# KiCad board paws-60-pcb.kicad_pcb (continued)
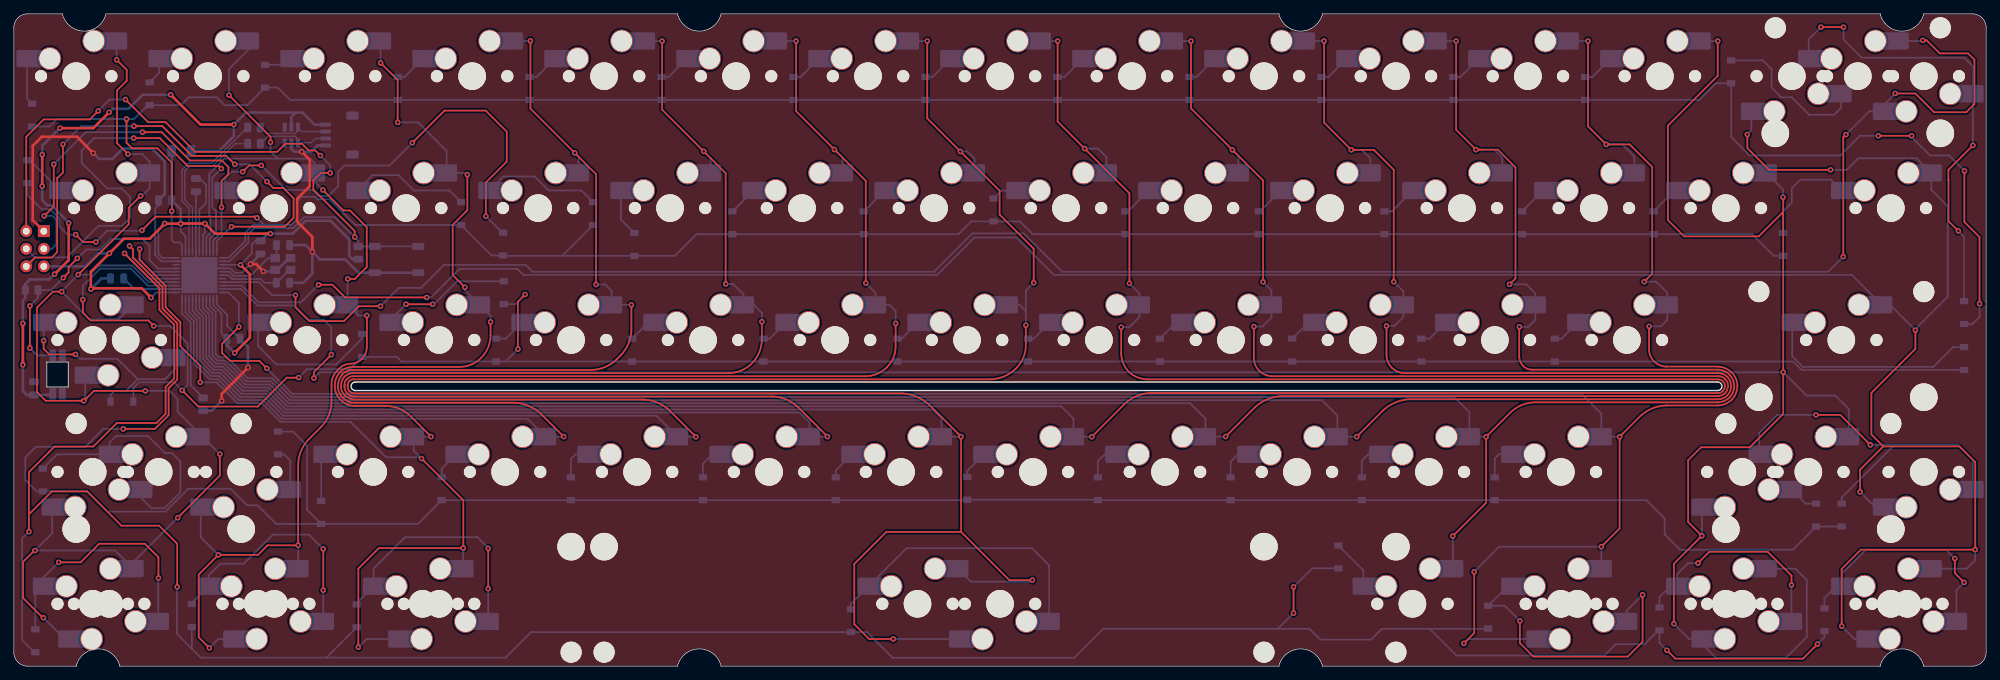
[diagram p0: board, top side]
## Routing (per net, layer and track width the routed paths; a pad name or vN(x,y) marks a point on that pad's centre or on a via; arc(x,y) is an arc through that point) (continued)
  Bottom w0.25: 58.66,30.17 53.72,30.17 48.62,35.27 38.5,35.27 35.8,37.97 32.28,37.97 29.27,40.98 v1(26.91,40.98) ; 55.55,3.92 50.91,3.92 v1(49.72,2.73) ; v1(65.11,54.71) 65.11,54.3 68.81,50.6 v1(68.81,49.73) ; v1(65.46,70.99) 65.22,71.23 62.47,71.23 62.47,74.41 58.36,78.52 v1(55.4,78.52) ; v1(52.93,87.13) 52.94,87.14 52.94,90.28 ; U2.40 19.91,56.96 18.15,58.71 v1(18.15,60.25) ; v1(64.88,17.05) 64.85,17.02 64.85,14.08 ; v1(60.22,33.15) 60.2,33.13 57.7,33.13 57.7,31.12 v1(58.84,29.99)
COL3: length 206.2
  Top w0.25: v1(79.37,33.15) 76.06,36.46 arc(74.19,37.63) 72.21,38.05 49.22,38.05 arc(48.26,38.23) 47.49,38.77 ; v1(74.57,90.3) 74.57,80.51 84.04,71.04 v1(84.04,55.11) ; v1(89.14,52.18) 89.14,48.68 arc(88.73,46.6) 87.55,44.83 87.08,44.36 arc(85.31,43.19) 83.23,42.77 48.95,42.77 arc(48.16,42.64) 47.41,42.13 arc(46.94,41.33) 46.77,40.6 ; 46.77,40.49 arc(46.94,39.56) 47.49,38.77
  Bottom w0.25: v1(80.96,74.12) 81.52,73.56 81.52,71.23 ; v1(84.04,55.11) 85.37,55.11 86.28,54.2 86.28,52.18 v1(89.14,52.18) ; v1(79.37,33.15) 79.35,33.13 76.75,33.13 74.16,35.72 38.69,35.72 35.99,38.42 32.47,38.42 29.44,41.45 28.27,41.45 25.97,43.74 25.97,49.84 24.78,51.03 U2.32 ; v1(74.57,90.3) 74.55,90.28 71.99,90.28
COL4: length 261.5
  Top w0.25: v1(102.75,55.19) 102.75,71.18 v1(99.59,74.34) 93.57,80.36 v1(93.57,90.28) ; v1(98.45,33.12) 94.66,36.91 arc(92.87,38.08) 90.81,38.5 49.22,38.5 arc(48.51,38.66) 47.81,39.09 ; v1(107.98,49.75) 107.98,47.2 arc(107.57,45.27) 106.55,43.75 ; 106.47,43.67 arc(104.97,42.69) 103.22,42.32 48.95,42.32 arc(48.32,42.19) 47.73,41.82 arc(47.35,41.18) 47.22,40.6 ; 47.22,40.49 arc(47.34,39.75) 47.8,39.09
  Bottom w0.25: v1(107.98,49.75) 107.98,51.02 106.82,52.18 105.33,52.18 105.33,53.68 103.82,55.19 v1(102.75,55.19) ; 91.04,90.28 v1(93.57,90.28) ; v1(98.45,33.12) 98.44,33.13 95.8,33.13 92.76,36.17 38.89,36.17 36.17,38.88 36.16,38.87 32.65,38.87 29.62,41.9 28.45,41.9 26.42,43.93 26.42,50.02 25.28,51.16 U2.31 ; 100.57,71.23 100.57,73.36 v1(99.59,74.34)
COL5: length 319.4
  Top w0.25: v1(127.29,49.5) 127.29,46.21 arc(126.95,44.54) 126.01,43.14 arc(124.61,42.22) 122.94,41.87 49.04,41.87 arc(48.54,41.78) 48.11,41.49 arc(47.81,41.06) 47.72,40.56 47.72,40.41 arc(47.84,39.83) 48.15,39.38 arc(48.64,39.05) 49.19,38.95 109.39,38.95 arc(111.45,38.54) 113.24,37.35 117.44,33.16 ; v1(112.91,90.28) 112.91,80.14 v1(118.45,74.61) 122.98,70.08 v1(122.98,55.31) ; v1(117.44,33.15) 117.44,33.15
  Bottom w0.25: v1(122.98,55.31) 124.38,53.91 124.38,52.18 126.38,52.18 127.29,51.27 v1(127.29,49.5) ; v1(117.44,33.15) 117.43,33.13 114.85,33.13 114.85,35.25 113.48,36.62 39.07,36.62 36.36,39.33 32.83,39.33 29.81,42.35 28.64,42.35 26.87,44.11 26.87,50.21 25.78,51.3 U2.30 ; 110.09,90.28 v1(112.91,90.28) ; v1(118.45,74.61) 119.62,73.44 119.62,71.23
COL6: length 459.3
  Top w0.25: v1(147.03,12.42) 143.69,12.42 136.73,19.39 ; 136.73,19.39 v1(136.73,33.15) 132.07,37.8 arc(130.41,38.87) 128.22,39.4 49.18,39.4 arc(48.79,39.47) 48.48,39.69 arc(48.23,40.05) 48.19,40.39 48.19,40.59 arc(48.26,40.91) 48.43,41.18 arc(48.71,41.37) 49.02,41.42 140.97,41.42 arc(142.86,41.81) 144.58,42.92 arc(145.69,44.49) 146.08,46.53 v1(146.08,49.24) ; 136.73,19.39 125.94,19.39 121.31,14.76 121.31,6.06 123.45,3.92 v1(126.95,3.92) ; v1(147.22,55.37) 147.22,60.28 142.29,65.21 142.29,68.66 v1(136.63,74.33) 131.85,79.11 v1(131.85,90.28)
  Bottom w0.25: v1(147.22,55.37) 146.08,54.23 146.08,51.27 ; v1(136.63,74.33) 137.65,74.33 138.67,73.31 138.67,71.23 ; v1(136.73,33.15) 136.71,33.13 133.9,33.13 133.9,35.77 132.6,37.07 39.26,37.07 36.55,39.78 33.01,39.78 30,42.8 28.82,42.8 27.32,44.3 27.32,50.39 26.28,51.43 U2.29 ; 129.14,90.28 v1(131.85,90.28) ; 143.43,52.18 145.18,52.18 146.08,51.27 ; 146.08,51.27 v1(146.08,49.24) ; v1(147.03,12.42) 146.8,12.19 138.17,12.19 136.29,14.08 ; 136.51,3.92 v1(126.95,3.92)
COL7: length 387.5
  Top w0.25: v1(161.04,55.27) 161.04,68.28 v1(154.57,74.75) 150.67,78.64 v1(150.67,90.28) ; v1(159.84,48.95) 159.84,45.14 arc(160.17,43.67) 160.93,42.51 arc(162.24,41.69) 163.57,41.42 246.03,41.42 arc(246.37,41.35) 246.71,41.14 arc(246.92,40.81) 246.99,40.46 ; v1(155.6,33.12) 160.32,37.85 arc(162.05,39) 164.17,39.45 245.98,39.45 arc(246.4,39.53) 246.7,39.74 ; 246.99,40.45 arc(246.91,40.06) 246.71,39.75
  Bottom w0.25: v1(155.6,33.12) 155.59,33.13 152.95,33.13 152.95,35.75 151.18,37.52 39.45,37.52 36.73,40.23 33.2,40.23 30.18,43.25 29.01,43.25 27.77,44.49 27.77,50.58 26.78,51.57 U2.28 ; v1(154.57,74.75) 156.49,74.75 157.72,73.52 157.72,71.23 ; v1(161.04,55.27) 162.48,53.82 162.48,50.42 161,48.95 v1(159.84,48.95) ; 148.19,90.28 v1(150.67,90.28)
COL8: length 366.8
  Top w0.25: v1(169.92,90.28) 169.92,80.54 v1(175.9,74.56) 180.32,70.14 v1(180.32,55.48) ; v1(174.93,33.16) 179.17,37.4 arc(180.85,38.5) 183.01,39 245.98,39 arc(246.49,39.1) 247.02,39.42 ; v1(179,49.04) 179,44.53 arc(179.19,43.52) 179.78,42.65 arc(180.67,42.07) 181.66,41.87 246.03,41.87 arc(246.59,41.76) 247.03,41.46 arc(247.34,41.02) 247.44,40.46 ; 247.44,40.45 arc(247.3,39.86) 247.02,39.43
  Bottom w0.25: v1(179,49.04) 180.21,49.04 181.53,50.36 181.53,54.27 v1(180.32,55.48) ; v1(174.93,33.16) 174.9,33.13 172,33.13 172,35.75 169.78,37.97 39.63,37.97 36.92,40.68 33.38,40.68 30.37,43.7 29.2,43.7 28.22,44.67 28.22,50.77 27.28,51.7 U2.27 ; 167.24,90.28 v1(169.92,90.28) ; 176.77,71.23 176.77,73.69 v1(175.9,74.56)
COL9: length 351.7
  Top w0.25: v1(189.13,90.28) 189.13,78.49 v1(193.06,74.56) 193.07,74.55 196.31,74.55 199.19,71.67 v1(199.19,55.51) ; v1(193.84,33.14) 197.65,36.95 arc(199.32,38.04) 201.5,38.55 245.98,38.55 arc(246.73,38.69) 247.33,39.11 ; v1(198.14,49.13) 198.14,44.96 arc(198.34,43.95) 198.92,43.09 arc(199.8,42.52) 200.78,42.32 246.03,42.32 arc(246.72,42.18) 247.35,41.77 arc(247.75,41.15) 247.89,40.46 ; 247.89,40.45 arc(247.74,39.71) 247.34,39.11
  Bottom w0.25: v1(193.06,74.56) 193.08,74.54 194.61,74.54 195.82,73.33 195.82,71.23 ; v1(198.14,49.13) 199.26,49.13 200.58,50.45 200.58,54.12 v1(199.19,55.51) ; 186.29,90.28 v1(189.13,90.28) ; v1(193.84,33.14) 193.83,33.13 191.05,33.13 191.05,36.17 188.81,38.42 39.82,38.42 37.11,41.13 33.57,41.13 30.56,44.15 29.38,44.15 28.67,44.86 28.67,50.95 27.78,51.84 U2.26
COL10: length 357.7
  Top w0.25: 217.3,48.97 217.3,44.7 arc(217.44,44.03) 217.85,43.37 arc(218.47,42.94) 219.18,42.82 245.95,42.82 arc(246.84,42.63) 247.64,42.11 ; v1(208.19,90.28) 208.19,77.46 v1(211.06,74.59) 214.21,74.59 216.76,72.03 216.76,56 v1(215.9,55.14) ; v1(217.32,49) 217.3,48.98 ; v1(207.7,18.78) 212.52,23.59 v1(212.52,33.13) 215.89,36.5 arc(217.7,37.72) 219.74,38.1 245.98,38.1 arc(246.83,38.28) 247.65,38.79 ; 247.66,42.1 arc(248.16,41.31) 248.34,40.45 arc(248.15,39.54) 247.66,38.79
  Bottom w0.25: v1(211.06,74.59) 213.7,74.59 214.87,73.42 214.87,71.23 ; 205.34,90.28 v1(208.19,90.28) ; 207.72,14.08 207.72,18.82 ; v1(215.9,55.14) 218.32,55.14 219.63,53.82 219.63,50.01 218.62,49 v1(217.32,49) ; U2.25 28.28,51.98 29.12,51.14 29.12,45.05 29.57,44.6 30.74,44.6 33.76,41.58 37.29,41.58 40.01,38.87 207.91,38.87 210.1,36.68 210.1,33.13 v1(212.52,33.13)
COL11: length 382.9
  Top w0.25: v1(210.8,13.64) 210.8,4.78 v1(209.3,3.28) ; v1(235.34,55.52) 236.49,56.67 236.49,72.09 233.24,75.34 v1(229.85,75.34) 227.22,77.97 v1(227.22,90.28) ; v1(236.05,49.07) 236.05,45.75 arc(236.24,44.8) 236.78,43.99 arc(237.62,43.45) 238.54,43.26 245.95,43.26 arc(246.99,43.05) 247.96,42.43 ; v1(32.49,49) 30.06,46.57 30.06,45.23 31.22,44.07 35.45,44.07 v1(36.52,43) ; v1(229.15,17.25) 231.79,19.89 v1(231.79,33.13) 234.71,36.05 arc(236.55,37.23) 238.56,37.65 245.98,37.65 arc(247.02,37.86) 247.97,38.47 ; 247.98,38.48 arc(248.56,39.36) 248.79,40.45 arc(248.58,41.5) 247.98,42.42
  Bottom w0.25: v1(210.8,13.64) 214.42,17.25 v1(229.15,17.25) 229.15,14.08 ; v1(236.05,49.07) 237.76,49.07 238.68,49.99 238.68,53.91 237.07,55.52 v1(235.34,55.52) ; v1(209.3,3.28) 209.94,3.92 219.85,3.92 ; v1(36.52,43) 36.52,42.99 40.19,39.32 226.27,39.32 229.15,36.44 229.15,33.13 v1(231.79,33.13) ; 224.39,90.28 v1(227.22,90.28) ; 233.92,71.23 233.92,73.61 232.18,75.34 v1(229.85,75.34) ; v1(32.49,49) 32.48,49 32.48,52.46 30.98,53.96 U2.22
COL12: length 425.1
  Top w0.25: v1(239.62,6.12) 239.62,14.78 v1(243.66,18.83) 241.68,20.82 241.68,29.73 243.55,31.61 250.58,31.61 255.4,36.43 v1(255.4,42.43) 255.4,65.54 ; 255.4,65.54 255.38,65.57 251.88,62.07 241.1,62.07 238.76,64.41 238.76,78.06 245.95,85.25 v1(245.95,90.28) ; 255.4,65.54 255.4,67.7 v1(255.38,67.73) ; v1(45.84,44.99) 43.32,42.47 v1(43.32,41.59)
  Bottom w0.25: v1(239.62,6.12) 241.82,3.92 243.66,3.92 243.66,3.22 245.66,1.22 255.81,1.22 258.81,4.23 258.81,12.42 257.15,14.08 252.97,14.08 ; v1(45.84,44.99) 45.81,45.02 45.81,48.94 44.73,50.02 42.43,50.02 40.36,52.09 35.15,52.09 32.77,54.46 U2.21 ; 264.87,33.13 264.87,37.13 262.92,39.08 258.75,39.08 v1(255.4,42.43) 44.16,42.43 v1(43.32,41.59) ; v1(255.38,67.73) 255.38,67.73 255.38,68.82 252.97,71.23 ; 243.44,90.28 v1(245.95,90.28) ; 243.66,22.97 v1(243.66,18.83)
COL13: length 418.4
  Top w0.25: v1(266.5,25.16) 266.5,28.39 269.85,31.74 ; v1(274.49,48.53) 274.49,45.83 268.13,39.47 268.13,33.46 269.85,31.74 ; 269.85,31.74 280.85,31.74 283.12,29.47 v1(283.12,16.82) 283.12,16.82 266.62,16.82 263.85,14.05 v1(263.85,5.78) ; v1(262.25,71.67) 253.36,71.67 250.22,74.81 v1(250.22,76.78) ; v1(59.61,53.25) 47.81,53.25 45.98,55.08 v1(43.98,55.08)
  Bottom w0.25: U2.20 32.91,54.96 35.33,52.54 41.44,52.54 v1(43.98,55.08) ; 274.32,48.51 279.16,53.35 279.16,66.41 276.78,68.79 276.78,71.23 274.67,73.34 266.24,73.34 264.57,71.67 v1(262.25,71.67) ; v1(266.5,25.16) 268.7,22.97 269.86,22.97 ; v1(263.85,5.78) 265.71,3.92 267.48,3.92 ; v1(283.12,16.82) 283.12,15.29 281.91,14.08 276.78,14.08 ; v1(274.49,48.53) 270.83,52.18 269.64,52.18 265.32,56.5 150.13,56.5 144.73,61.9 138.66,61.9 133.27,56.5 73.54,56.5 72.67,57.37 64.34,57.37 60.22,53.25 v1(59.61,53.25) ; v1(250.22,76.78) 250.81,77.37 250.81,80.12
COL14: length 306.1
  Top w0.25: v1(264.08,59.14) 264.08,76.39 v1(264.46,76.77) ; v1(271.56,82.7) 274.48,82.7 277.19,80 281.83,80 283,81.17 283,87.59 282.1,88.49 278.01,88.49 276.12,90.37 v1(275.55,90.37) ; v1(52.93,51.98) 49.8,51.98 47.64,49.82 42.69,49.82 40.66,51.85 v1(40.66,53.57)
  Bottom w0.25: v1(275.55,90.37) 275.46,90.28 272.02,90.28 ; U2.19 35.37,55.46 37.26,53.57 v1(40.66,53.57) ; v1(264.46,76.77) 267.81,80.12 269.86,80.12 269.86,80.99 v1(271.56,82.7) ; v1(264.08,59.14) 261.89,56.95 151.33,56.95 145.78,62.5 138.35,62.5 132.8,56.95 74.88,56.95 73.88,57.94 62.1,57.94 58.79,54.63 55.58,54.63 v1(52.93,51.98)
D+: length 10.8
  Bottom w0.2: 35.6,75.45 36.67,76.53 40.59,76.53 41,76.11 41,75.61 42.93,75.61 43.53,76.2 J1.3
D-: length 10.7
  Bottom w0.2: J1.2 41.61,77.2 41,77.81 41,77.3 40.63,76.93 36.46,76.93 35.6,77.79
MISO: length 76.8
  Top w0.25: J2.1 3.05,59 5.47,59 6.26,59.78 6.26,70.45 7.09,71.28 v1(7.09,75.36) ; v1(36.52,69.98) 37.45,69.05 38.89,69.05 40.37,67.58 40.37,64.74 39.1,63.47 v1(31.4,63.47) ; v1(17.34,77.99) 21.43,77.99 25.72,73.7 30.66,73.7 v1(31.9,72.46)
  Bottom w0.25: v1(31.4,63.47) 29.28,61.35 U2.11 ; v1(36.52,69.98) 34.04,72.46 v1(31.9,72.46) ; v1(17.34,77.99) 9.72,77.99 v1(7.09,75.36)
MOSI: length 58.1
  Top w0.25: v1(5.77,72.48) 5.77,66.41 v1(4.38,65.02) ; v1(18.57,77.11) 21.33,77.11 25.42,73.03 30.02,73.03 30.98,72.07 30.98,71.07 29.98,70.08 29.98,66.26 v1(29.98,66.25)
  Bottom w0.25: v1(4.38,65.02) 5.59,65.02 6.13,64.48 6.13,60.93 5.48,60.27 J2.4 ; U2.10 28.78,61.48 29.98,62.68 29.98,66.25 v1(29.98,66.25) ; v1(18.57,77.11) 10.38,77.11 9.55,76.28 9.55,76.26 v1(5.77,72.48)
ROW0: length 346
  Top w0.25: v1(283.74,52.33) 283.74,61.96 281.55,64.15 281.55,71.51 v1(281.57,71.53) ; v1(269.14,76.59) v1(273.94,76.59) ; v1(22.78,65.69) 22.85,65.75 22.85,72.66 20.72,74.79 17.07,74.79 16.26,75.59 v1(16.26,79.01)
  Bottom w0.25: v1(269.14,76.59) 266.47,76.59 263.63,73.75 250.56,73.75 247.9,76.42 D14.1 245.69,84.18 243.3,81.78 D13.1 D12.1 D11.1 D10.1 D9.1 D8.1 D7.1 D6.1 D5.1 D4.1 39.89,81.78 38.11,83.56 D3.1 33.7,81.01 30.43,81.01 29.29,82.14 25.24,82.14 24.1,81.01 D2.1 19.33,81.01 17.33,79.01 v1(16.26,79.01) 6.22,79.01 5.13,77.92 D1.1 ; U2.1 24.28,60.81 23.91,61.18 23.15,61.18 22.78,61.54 22.78,65.69 v1(22.78,65.69) ; v1(273.94,76.59) 273.94,76.4 276.59,73.75 279.35,73.75 v1(281.57,71.53) ; D15.1 282.73,49.42 283.74,50.43 v1(283.74,52.33)
ROW1: length 286.4
  Top w0.25: v1(8.92,62.32) 10,61.24 v1(11.84,61.24) ; v1(35.09,64.75) 34.93,64.91 20.47,64.91 v1(18.48,62.93)
  Bottom w0.25: D16.1 1.97,68.04 4.02,65.99 5.26,65.99 6.58,64.67 6.58,63.52 7.78,62.32 v1(8.92,62.32) ; 79.21,59.31 D19.1 ; v1(18.48,62.93) 18.43,62.88 13.48,62.88 v1(11.84,61.24) ; v1(35.09,64.75) 36.13,63.71 ; D29.1 254.04,59.26 250.92,62.38 D28.1 147.08,62.38 145.23,64.23 D23.1 138.2,64.23 136.36,62.38 D21.1 98.54,62.38 95.41,59.25 D20.1 70.67,59.25 D17.1 68.96,59.31 D18.1 49.3,63.71 45.59,67.42 43.8,67.42 43.43,67.78 41.51,67.78 40.82,67.1 40.82,64.48 40.05,63.71 34.5,63.71 33.4,62.6 33.4,61.38 30.98,58.96 U2.12
ROW2: length 329.7
  Top w0.25: v1(9.96,52.94) 9.96,51.06 11.1,49.92 19.41,49.92 v1(20.2,49.13) ; v1(24.3,39.83) 26.63,37.5 35.23,37.5 39.39,41.65 41.09,41.65 v1(41.12,41.68) ; v1(72.76,45.78) 72.76,52.63 v1(73.8,53.67)
  Bottom w0.25: v1(72.76,45.78) 70.97,44 ; v1(73.8,53.67) 72.41,52.28 D32.1 ; v1(20.2,49.13) 22.56,49.13 25.07,46.61 25.07,40.61 v1(24.3,39.83) 23.14,40.99 18.07,40.99 17.25,40.17 D30.1 ; v1(9.96,52.94) 9.96,54.91 12.46,57.41 16.9,57.41 19.35,54.96 U2.36 ; D42.1 258.07,42.77 256.84,44 D33.1 55.93,44 55.27,44.66 D31.1 48.5,42.88 42.32,42.88 v1(41.12,41.68)
ROW3: length 355.4
  Top w0.25: v1(16.7,60.69) 17.22,60.18 17.22,59 21.45,54.76 21.45,51.63 23.58,49.5 23.58,41.38 22.34,40.14 22.34,36.25 20.35,34.26 v1(15.78,34.26)
  Bottom w0.25: U2.39 19.75,56.46 17.22,58.99 17.22,60.17 v1(16.7,60.69) ; D56.1 D55.1 256.8,16.81 240.51,16.81 238.29,19.04 238.29,21.33 235.77,23.85 235.77,23.97 D54.1 D53.1 D52.1 D51.1 156.4,24.04 D50.1 137.56,23.97 D49.1 D48.1 D47.1 D46.1 58.33,20.55 D45.1 ; D44.1 40.29,33.87 42.32,31.84 42.32,22.59 D45.1 ; v1(15.78,34.26) 12.92,34.26 10.34,31.68 3.18,31.68 1.65,30.16 1.65,26.88 3.29,25.24 D43.1 10.57,25.24 13.49,22.32 21.88,22.32 25.18,25.62 31.27,25.62 33.66,23.23 35.17,23.23 37.86,20.55 D45.1
ROW4: length 410.7
  Top w0.25: v1(260.36,3.19) 258.25,1.08 239.84,1.08 v1(238.63,2.29) ; v1(15.98,59.6) 21,54.57 21,51.45 23.13,49.32 23.13,41.56 21.9,40.32 21.9,36.44 20.57,35.11 14.86,35.11 11.46,31.72 5.87,31.72 2.17,28.01 2.17,21.92 ; v1(184.72,11.44) v1(184.72,7.65) ; 2.17,21.92 5.49,25.24 10.57,25.24 15.53,20.29 20.97,20.29 23.58,17.68 v1(23.58,11.44) ; 2.17,21.92 v1(2.17,19.42)
  Bottom w0.25: D64.1 261.35,4.18 v1(260.36,3.19) ; 25.69,2.5 26.96,1.23 45.11,1.23 ; 25.69,2.5 23.55,4.64 23.55,11.41 v1(23.58,11.44) ; 25.69,2.5 D58.1 ; 182.46,5.39 187.04,5.39 188.59,3.84 195.92,3.84 197.47,5.39 212.77,5.39 D62.1 ; 182.46,5.39 157.23,5.39 153.05,1.21 126.84,1.21 123.13,4.92 D60.1 74.66,4.92 70.98,1.23 45.11,1.23 ; 182.46,5.39 v1(184.72,7.65) ; v1(2.17,19.42) 1.19,18.44 1.19,3.76 2.94,2.01 D57.1 ; v1(15.98,59.6) 19.62,55.96 U2.38 ; 45.11,1.23 D59.1 ; v1(238.63,2.29) 237.54,3.38 D63.1 237.39,5.18 235.39,3.17 231.21,3.17 229.58,1.54 208.24,1.54 204.39,5.39 ; D61.1 187.41,14.13 v1(184.72,11.44)
RST: length 113.2
  Top w0.25: v1(45.68,71.23) 44.32,71.23 43.22,70.13 43.22,68.82 49.2,62.84 v1(49.2,61.96) ; J2.5 1.78,76.44 4.3,78.96 10.96,78.96 12.19,80.18 v1(12.19,80.19) ; v1(44.26,73.73) 43.5,74.48 42.55,74.48 41.59,75.44 39.19,75.44 38.01,74.27 26.19,74.27 21.89,78.57 19.38,78.57 v1(16.11,81.83)
  Bottom w0.25: v1(16.11,81.83) 13.83,81.83 v1(12.19,80.19) ; U2.13 31.12,58.46 33.85,61.19 33.85,62.42 34.69,63.26 40.33,63.26 41.91,64.84 46.33,64.84 v1(49.2,61.96) 49.71,61.45 49.71,60.62 49.71,60.62 SW1.2 SW1.2 ; v1(45.68,71.23) 45.68,72.31 v1(44.26,73.73)
SCK: length 67.6
  Top w0.25: v1(17.29,76.26) 21.07,76.26 25.09,72.23 29.58,72.23 v1(29.96,71.85)
  Bottom w0.25: J2.3 3.03,59.03 7.66,59.03 12.2,63.57 15.6,63.57 16.79,64.75 16.79,67.77 15.56,68.99 13.47,68.99 9.79,72.68 9.79,74.43 11.61,76.26 v1(17.29,76.26) ; U2.9 28.28,61.74 29.18,62.64 29.18,65.74 28.65,66.28 28.65,70.54 v1(29.96,71.85)
SK6812: length 39.1
  Top w0.25: 2.32,45.91 v1(2.3,45.92) 2.32,45.93 v1(2.32,52.04) ; v1(7.14,56.1) 7.91,56.86 7.91,57.62 v1(9.18,58.89)
  Bottom w0.25: v1(9.18,58.89) 10.45,60.16 12.48,60.16 14,61.69 18.57,61.69 19.59,60.67 19.59,58.64 20.82,57.41 23.44,57.41 23.45,57.42 U2.41 ; LED1.4 3.35,44.87 v1(2.3,45.92) ; v1(7.14,56.1) 5.37,54.32 R5.2 3.48,53.2 v1(2.32,52.04)
XTAL1: length 11
  Bottom w0.25: U2.17 30.98,56.46 31.53,55.91 35.64,55.91 36.18,55.37 37.91,55.37 39.77,57.23 Y1.1
XTAL2: length 10.6
  Bottom w0.25: U2.16 31.11,56.96 31.71,56.36 34.14,56.36 36.7,58.93 Y1.3 ; 37.92,60.37 37.92,58.69
Net-(D1-A): length 6.8
  Bottom w0.25: 1.92,87.74 1.92,81.95 D1.2
Net-(D2-A): length 4
  Bottom w0.25: D2.2 20.96,85.66 20.96,87.74
Net-(D3-A): length 4.1
  Bottom w0.25: D3.2 39.13,86.86 40.02,87.74
Net-(D4-A): length 4.8
  Bottom w0.25: D4.2 56.41,85.08 59.06,87.74
Net-(D5-A): length 4.8
  Bottom w0.25: 78.11,87.74 75.46,85.08 D5.2
Net-(D6-A): length 4.8
  Bottom w0.25: D6.2 94.51,85.08 97.17,87.74
Net-(D7-A): length 4.8
  Bottom w0.25: 116.22,87.74 113.56,85.08 D7.2
Net-(D8-A): length 4.8
  Bottom w0.25: 135.26,87.74 132.61,85.08 D8.2
Net-(D9-A): length 4.8
  Bottom w0.25: D9.2 151.66,85.08 154.31,87.74
Net-(D10-A): length 4.8
  Bottom w0.25: 173.37,87.74 170.71,85.08 D10.2
Net-(D11-A): length 4.8
  Bottom w0.25: D11.2 189.76,85.08 192.41,87.74
Net-(D12-A): length 4.8
  Bottom w0.25: 211.47,87.74 208.81,85.08 D12.2
Net-(D13-A): length 4.8
  Bottom w0.25: 230.51,87.74 227.86,85.08 D13.2
Net-(D14-A): length 23.1
  Bottom w0.25: 263.74,82.66 263.74,80.6 262.76,79.63 259.16,79.63 256.63,82.15 255.11,82.15 253.73,83.53 253.73,86.21 252.47,87.48 D14.2
Net-(D15-A): length 66.9
  Top w0.25: v1(280.69,62.84) 279.27,64.27 279.27,70.24 279.25,70.26 279.25,71.66 v1(282.79,75.2) ; v1(264.12,92.27) 264.1,92.29 260.87,92.29 v1(260.84,92.27)
  Bottom w0.25: v1(280.69,62.84) 281.52,62.02 D15.2 ; v1(282.79,75.2) 282.79,86.61 281.53,87.87 266.74,87.87 264.12,90.49 v1(264.12,92.27) ; v1(260.84,92.27) 259.09,90.52 259.09,87.74
Net-(D16-A): length 6.5
  Bottom w0.25: D16.2 2.32,73.05 6.68,68.69
Net-(D17-A): length 69.5
  Top w0.25: v1(33.03,71.4) 33.95,72.31 v1(35.73,72.31) ; v1(57.51,75.57) 62.17,80.23 68.1,80.23 71.15,77.18 71.15,72.86 68.14,69.85 v1(68.14,64.96)
  Bottom w0.25: v1(57.51,75.57) 54.24,72.3 47.72,72.3 46.82,71.4 46.82,69.31 45.38,67.87 43.99,67.87 43.08,68.77 39.27,68.77 v1(35.73,72.31) ; 30.49,68.69 30.49,70.41 31.47,71.4 v1(33.03,71.4) ; v1(68.14,64.96) 70.5,62.61 D17.2
Net-(D18-A): length 17.6
  Bottom w0.25: D18.2 62.88,68.69 57.76,68.69 55.55,70.9 51.75,70.9 49.54,68.69
Net-(D19-A): length 17.4
  Bottom w0.25: D19.2 81.93,68.69 77.2,68.69 75.17,70.72 70.63,70.72 68.61,68.69 68.59,68.69
Net-(D20-A): length 6.9
  Bottom w0.25: D20.2 87.64,64.48 87.64,68.69
Net-(D21-A): length 4.2
  Bottom w0.25: D21.2 106.69,68.64 106.69,68.69
Net-(D22-A): length 4.3
  Bottom w0.25: 125.74,68.69 122.73,65.68 D22.2
Net-(D23-A): length 3.9
  Bottom w0.25: 144.79,68.69 142.58,68.69 D23.2
Net-(D24-A): length 4.6
  Bottom w0.25: D24.2 160.83,65.68 163.84,68.69
Net-(D25-A): length 4.4
  Bottom w0.25: D25.2 179.88,65.68 182.89,68.69
Net-(D26-A): length 5.3
  Bottom w0.25: 201.94,68.69 198.93,65.68 D26.2
Net-(D27-A): length 4.5
  Bottom w0.25: D27.2 220.72,68.69 220.99,68.69
Net-(D28-A): length 4.6
  Bottom w0.25: D28.2 239.71,68.69 240.04,68.69
Net-(D29-A): length 15.3
  Bottom w0.25: 263.85,68.69 262.3,70.25 257.9,70.25 256.65,69 256.65,66.95 255.38,65.67 D29.2
Net-(D30-A): length 32.7
  Top w0.25: v1(4.3,47.02) 4.3,45.82 5.1,45.02 v1(8.9,45.02)
  Bottom w0.25: 4.3,47.03 v1(4.3,47.02) 4.3,49.64 ; 17.88,41.44 16.19,39.74 14.52,39.74 13.95,39.17 D30.2 ; 17.88,41.44 21.79,41.44 23.23,42.88 23.23,44.56 ; 17.88,41.44 14.93,44.39 9.54,44.39 v1(8.9,45.02)
Net-(D31-A): length 21.7
  Bottom w0.25: 35.25,49.64 35.25,46.23 37.9,43.58 46.53,43.58 50.27,47.32 D31.2
Net-(D32-A): length 19.1
  Top w0.25: v1(56.61,52.26) v1(60.46,52.26)
  Bottom w0.25: D32.2 63.97,55.58 60.65,52.26 v1(60.46,52.26) ; v1(56.61,52.26) 54.3,49.96 54.3,49.64
Net-(D33-A): length 4.7
  Bottom w0.25: 73.35,49.64 71.01,47.3 D33.2
Net-(D34-A): length 4.1
  Bottom w0.25: D34.2 91.57,49.64 92.4,49.64
Net-(D35-A): length 4.2
  Bottom w0.25: D35.2 109.11,47.3 111.45,49.64
Net-(D36-A): length 3.9
  Bottom w0.25: D36.2 128.16,47.3 130.5,49.64
Net-(D37-A): length 4.1
  Bottom w0.25: 149.55,49.64 147.21,47.3 D37.2
Net-(D38-A): length 4.1
  Bottom w0.25: D38.2 167.77,49.64 168.6,49.64
Net-(D39-A): length 4.1
  Bottom w0.25: D39.2 186.88,49.64 187.65,49.64
Net-(D40-A): length 4.5
  Bottom w0.25: 206.7,49.64 204.36,47.3 D40.2
Net-(D41-A): length 4.3
  Bottom w0.25: 225.75,49.64 223.41,47.3 D41.2
Net-(D42-A): length 31.5
  Bottom w0.25: 256.71,49.64 256.71,44.77 258.25,43.22 277.09,43.22 279.94,46.07 D42.2
Net-(D43-A): length 37.2
  Bottom w0.25: D43.2 6.24,30.59 13.82,30.59 13.82,32.3 14.76,33.24 19.34,33.24 21.83,30.75 22.84,30.75 24.04,29.55 24.04,25.12 21.75,22.83 19.84,22.83 18.47,24.2 18.47,25.51
Net-(D44-A): length 6.3
  Bottom w0.25: D44.2 39.02,30.57 39.9,29.7 39.9,25.51
Net-(D45-A): length 6.3
  Bottom w0.25: D45.2 44.36,30.18
Net-(D46-A): length 4.2
  Bottom w0.25: D46.2 61.75,28.52 63.83,30.59
Net-(D47-A): length 5.4
  Bottom w0.25: 82.88,30.59 81.09,30.59 80.41,29.91 D47.2
Net-(D48-A): length 5
  Bottom w0.25: D48.2 99.46,29.23 100.82,30.59 101.93,30.59
Net-(D49-A): length 4.3
  Bottom w0.25: 120.98,30.59 118.64,28.25 D49.2
Net-(D50-A): length 4.3
  Bottom w0.25: D50.2 137.62,28.18 140.03,30.59
Net-(D51-A): length 5.3
  Bottom w0.25: D51.2 156.47,29.59 157.46,30.59 159.08,30.59
Net-(D52-A): length 5.2
  Bottom w0.25: 178.13,30.59 176.72,30.59 175.64,29.51 D52.2
Net-(D53-A): length 5.4
  Bottom w0.25: 197.18,30.59 195.51,30.59 194.57,29.66 D53.2
Net-(D54-A): length 5.4
  Bottom w0.25: D54.2 213.77,30 214.36,30.59 216.23,30.59
Net-(D55-A): length 4.4
  Bottom w0.25: 256.59,25.51 258.64,23.46 D55.2
Net-(D56-A): length 53.6
  Top w0.25: v1(260.13,36.29) 263.65,36.29 v1(267.99,31.95)
  Bottom w0.25: v1(260.13,36.29) 254.54,36.29 251.95,33.69 251.95,30.59 ; 282.79,25.51 282.79,29.82 280.65,31.95 271.44,31.95 ; D56.2 263.84,24.35 271.44,31.95 ; 271.44,31.95 v1(267.99,31.95)
Net-(D57-A): length 36.7
  Top w0.25: v1(20.87,12.72) 20.87,15.73 18.92,17.68 12.32,17.68 9.63,14.99 v1(6.47,14.99)
  Bottom w0.25: v1(20.87,12.72) 20.85,12.7 20.85,6.46 ; v1(6.47,14.99) 4.3,12.82 4.3,11.54 3.09,10.34 D57.2
Net-(D58-A): length 35.4
  Top w0.25: v1(44.66,16.92) v1(44.66,10.96)
  Bottom w0.25: v1(44.66,16.92) 42.59,19 37.4,19 33.19,14.79 29.82,14.79 28.11,13.08 28.11,11.54 25.69,9.12 D58.2 ; v1(44.66,10.96) 44.66,6.46
Net-(D59-A): length 35.9
  Top w0.25: v1(68.47,11.19) v1(68.47,17)
  Bottom w0.25: 68.47,6.46 v1(68.47,11.19) ; D59.2 49.49,9.11 51.92,11.54 51.92,14.08 56.46,18.62 66.93,18.62 68.47,17.08 v1(68.47,17)
Net-(D60-A): length 41.8
  Bottom w0.25: D60.2 120.83,9.01 128.86,17.04 146.95,17.04 149.44,14.56 149.44,6.46
Net-(D61-A): length 7.4
  Bottom w0.25: D61.2 194.8,13.83 194.8,11.54
Net-(D62-A): length 44.3
  Top w0.25: v1(235.1,10.31) 235.1,3.52 232.97,1.38 219.34,1.38 217.39,3.33 v1(217.39,6.54)
  Bottom w0.25: 216.23,11.54 215.62,11.54 D62.2 215.2,8.72 v1(217.39,6.54) ; v1(235.1,10.31) 232.78,7.98 232.78,6.46
Net-(D63-A): length 32.3
  Top w0.25: v1(243.09,14.87) 244.73,16.51 253.16,16.51 256.6,13.08 v1(256.6,11.71)
  Bottom w0.25: D63.2 237.54,9.97 239.11,11.54 240.04,11.54 240.04,13.23 241.68,14.87 v1(243.09,14.87) ; v1(256.6,11.71) 256.59,11.7 256.59,6.46
Net-(D64-A): length 35
  Top w0.25: v1(281.53,12.09) 280.18,13.44 v1(280.18,15.55)
  Bottom w0.25: 280.4,6.46 280.4,10.96 v1(281.53,12.09) ; 279.88,6.46 280.54,7.12 ; 263.85,11.54 263.85,13.35 267.22,16.72 279.01,16.72 v1(280.18,15.55) ; D64.2 261.35,9.84 263.05,11.54
Net-(U2-UCAP): length 12.2
  Bottom w0.25: U2.6 26.78,65.93 27.75,66.89 27.75,69.5 26.84,70.41 26.05,70.41
Net-(U2-~{HWB}/PE2): length 15.6
  Bottom w0.25: 27.32,38.77 25.52,40.56 25.52,49.65 24.28,50.89 U2.33

## Copper pours and planes (outline as drawn; the poured copper is in the pictures)
+5V on Bottom: 48.75,59.17 48.48,58.9 49.03,58.41 49.71,58.77 49.16,59.26
+5V on Bottom: 22.96,68.5 22.58,68.5 22.3,67.84 22.78,67.27 23.27,67.84
+5V on Bottom: 22.58,72.89 22.97,72.89 23.38,73.67 22.78,74.39 22.17,73.67
+5V on Bottom: 6.01,57.92 5.82,57.93 5.66,57.96 5.52,58 5.4,58.05 5.3,58.11 5.2,58.18 5.09,58.25 4.98,58.33 4.85,58.42 4.7,58.5 3.9,57.73 4.7,56.97 4.85,57.05 4.98,57.13 5.09,57.21 5.2,57.29 5.3,57.36 5.4,57.42 5.52,57.47 5.66,57.51 5.82,57.54 6.01,57.54
+5V on Bottom: 36.6,62.12 36.33,62.39 35.4,61.91 35.61,61.41 36.33,61.42
+5V on Bottom: 30.11,48.17 29.86,48.17 30.25,47.09 30.75,47.27 30.78,48
+5V on Bottom: 12.96,56.19 12.96,55.8 13.47,55.49 13.96,55.99 13.47,56.49
+5V on Bottom: 30.83,46 31.1,46.27 31.23,46.7 30.75,47.27 30.37,46.59
+5V on Bottom: 23.5,66.28 23.77,66.55 23.28,67.48 22.78,67.27 22.8,66.55
GND on Top: 290.35,-6.13 -1.75,-6.13 -1.75,95.47 290.35,95.47
GND on Bottom: 43.29,52.86 36.64,52.86 33.2,56.31 33.21,63.54 43.29,63.54
GND on Bottom: 290.35,-6.13 -1.75,-6.13 -1.75,95.47 290.35,95.47
VBUS on Bottom: 1.86,39.43 1.6,39.16 2.27,38.73 2.9,39.17 2.33,39.65
VBUS on Bottom: 4.6,39.36 4.6,38.98 5.1,38.76 5.6,39.37 5.1,39.78
VBUS on Bottom: 4.13,38.98 4.13,39.36 3.47,39.65 2.9,39.17 3.47,38.69
VBUS on Bottom: 1.49,53.26 1.76,52.99 2.15,53.78 1.66,54.32 1.17,53.78
VBUS on Bottom: 2.04,55.3 1.77,55.57 1.28,54.99 1.66,54.32 2.15,54.87
VBUS on Bottom: 26.83,74.2 26.83,74.58 26.2,75.01 25.57,74.39 26.2,73.76
/MCU_D+ on Bottom: 32.72,75.55 32.72,75.35 33.25,74.94 33.75,75.45 33.25,75.97
/MCU_D- on Bottom: 32.81,77.02 32.95,76.88 33.76,77.09 33.75,77.79 33.23,78.01
COL0 on Bottom: 18.34,15.95 18.17,16.13 16.89,15.33 17.47,14.08 18.73,15.18
COL0 on Bottom: 10.18,39.77 10.43,39.77 11.19,40.8 10.05,42.02 9.19,40.77
COL0 on Bottom: 14.72,88.03 14.97,88.03 15.96,89.03 15.09,90.28 13.95,89.06
COL0 on Bottom: 5.41,20.72 5.66,20.72 6.43,21.75 5.29,22.97 4.42,21.72
COL0 on Bottom: 25.4,35.18 25.23,35 25.72,33.08 27,33.13 27.24,34.38
COL0 on Bottom: 5.78,5.66 5.6,5.48 6.4,3.68 7.67,3.92 7.73,5.17
COL0 on Bottom: 19.49,69.08 19.67,68.9 20.71,69.98 19.85,71.23 18.7,70.02
COL0 on Bottom: 19.26,73.39 19.08,73.21 18.6,72.33 19.85,71.23 20.49,72.48
COL0 on Bottom: 15.41,50.54 15.58,50.36 17.56,50.93 17.47,52.18 16.2,52.39
COL0 on Bottom: 28.88,31.31 29.06,31.48 28.27,33.34 27,33.13 26.9,31.88
COL0 on Bottom: 15.58,15.9 15.41,15.72 16.2,13.87 17.47,14.08 17.56,15.33
COL1 on Bottom: 44.02,69.18 44.2,69.36 44.87,70.05 43.66,71.23 42.92,69.98
COL1 on Bottom: 50.31,50.52 50.31,50.77 49.7,52.43 48.43,52.18 48.38,50.93
COL1 on Bottom: 48.3,54.43 48.05,54.43 47.29,53.4 48.43,52.18 49.3,53.43
COL1 on Bottom: 42.91,73.32 42.73,73.14 42.41,72.33 43.67,71.23 44.22,72.48
COL1 on Bottom: 29.21,3.8 29.39,3.62 30.25,2.8 31.49,3.92 30.21,4.8
COL1 on Bottom: 33.05,88.41 33.22,88.23 34.62,89.03 34.14,90.28 32.88,89.18
COL1 on Bottom: 41.16,16.33 40.91,16.33 40.14,15.3 41.28,14.08 42.15,15.33
COL1 on Bottom: 26.85,20.72 27.1,20.72 27.86,21.75 26.72,22.97 25.85,21.72
COL2 on Bottom: 57.79,30.86 57.97,31.04 58.91,31.88 57.95,33.13 56.91,31.88
